# Altium PCB openservo_tessellated.PcbDoc (part 4 of 13)
Units mm, origin at the board's own origin, x right, y up, seen from the top; angles counter-clockwise.
Board outline 225 x 202.5 mm, 2 copper layers (Top Layer, Bottom Layer); 1250 components, 19 nets, 5300 pads, 1100 vias.
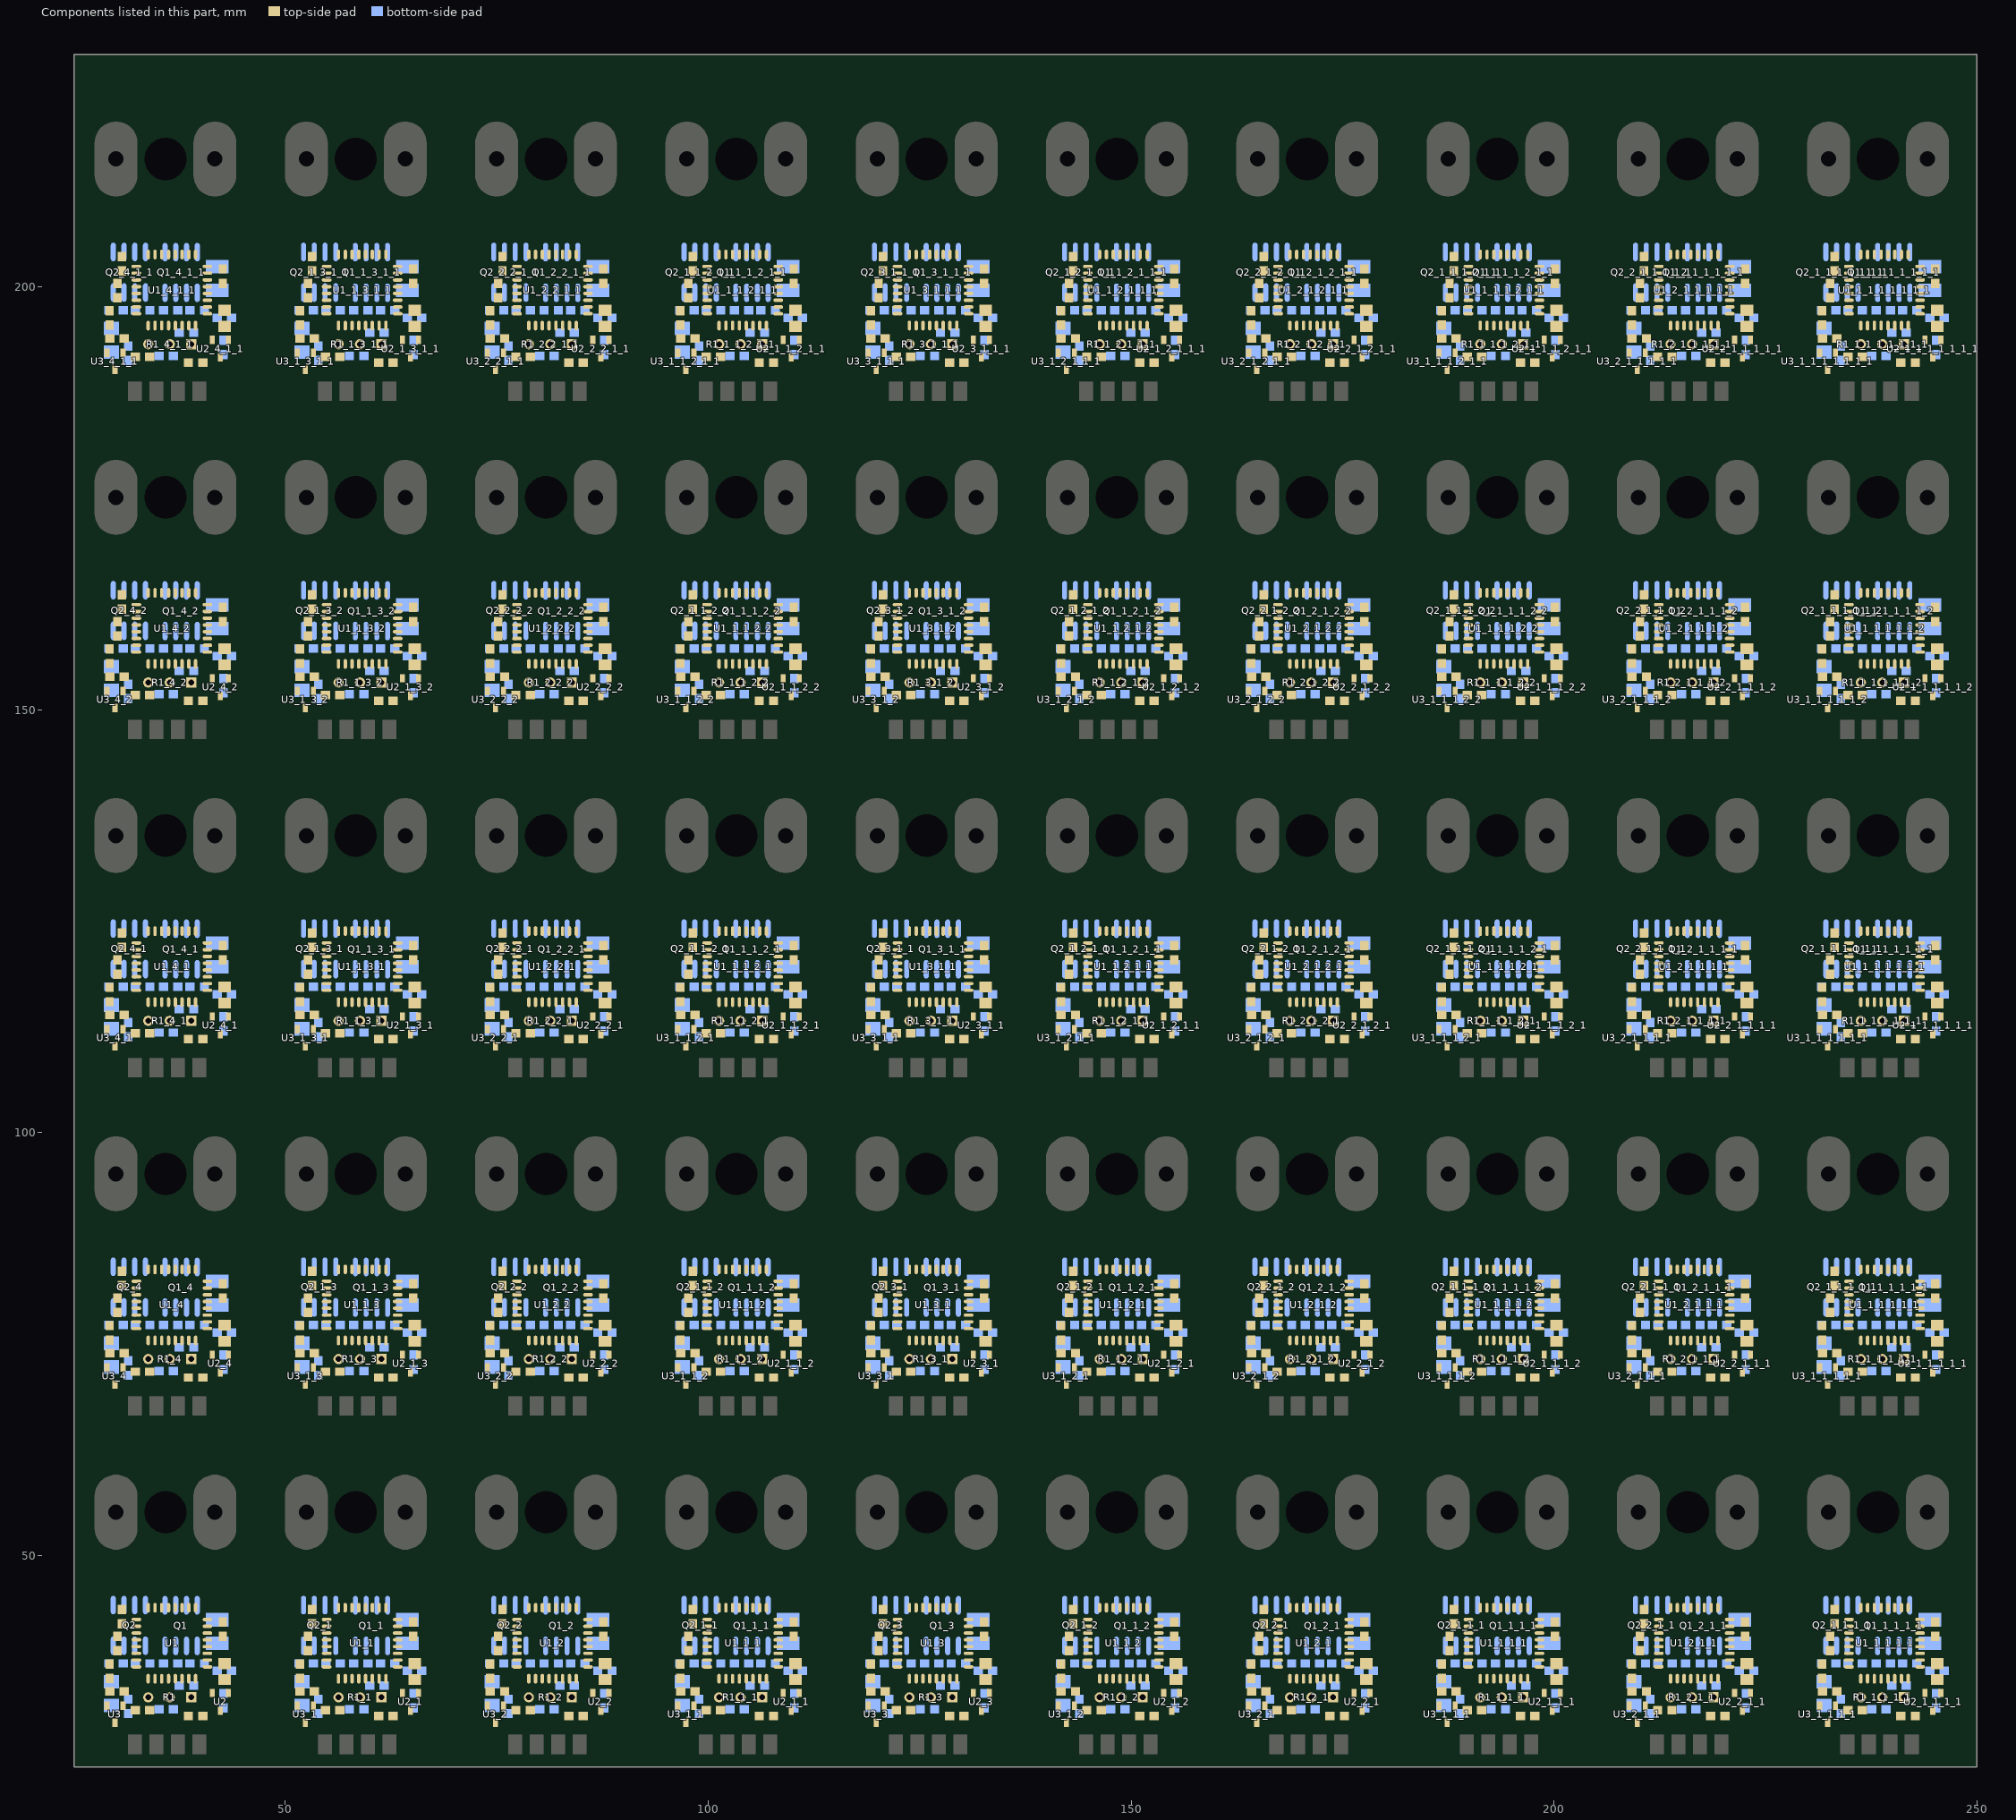
[diagram p4: the components of this part, seen from the top]

## Via types
v1: diameter 0.762, hole 0.35, Top Layer to Bottom Layer, 1000 vias
v2: diameter 1.27, hole 0.7, Top Layer to Bottom Layer, 100 vias
